# Allegro board 1140022-KU060_PCIE_FIBER_BOARD_V001_pcb166_20240120_1835_pcb.brd (continued)
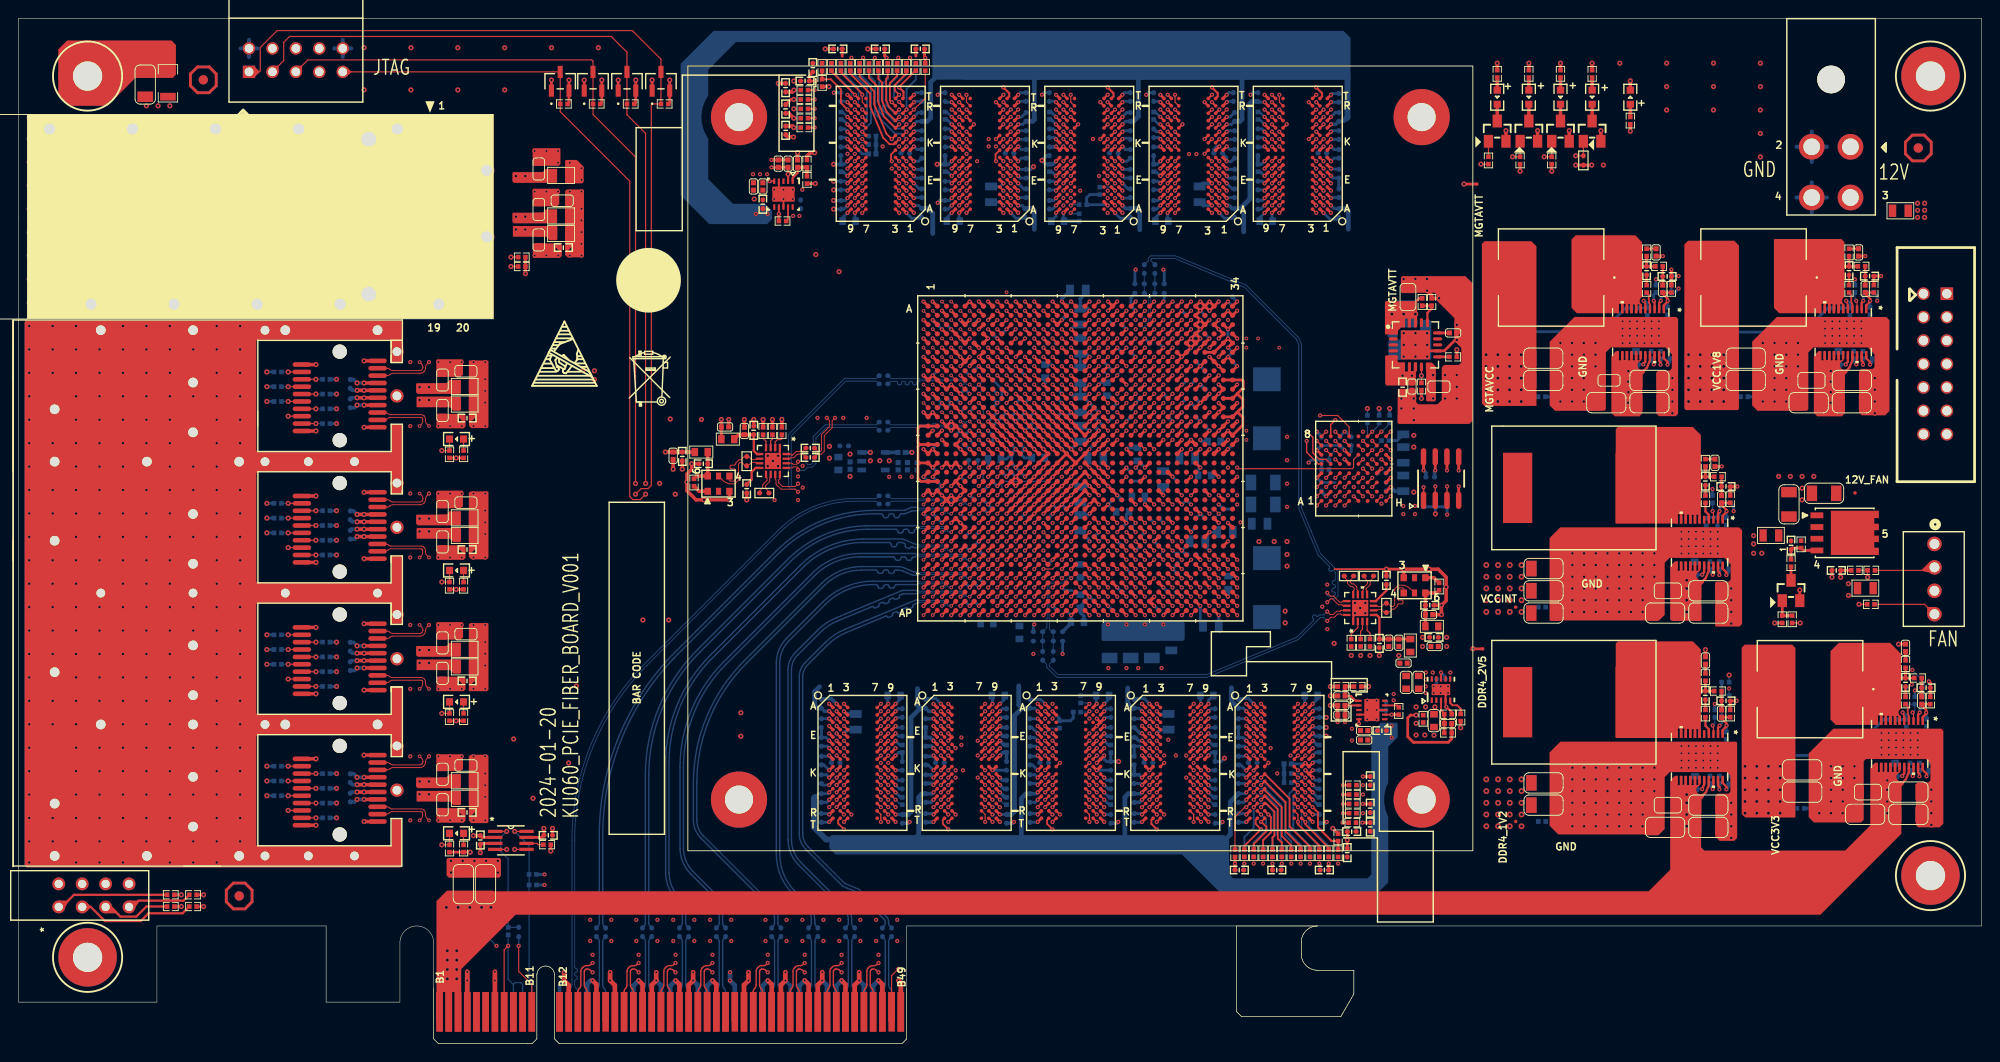
[diagram p0: board, top side]
## Nets (continued)
CHA_FPGA_DDR4_C2_D53: U1.L12(IO_L17P_T2U_N8_AD10P_66) U13.H8(DQ5)
CHA_FPGA_DDR4_C2_D54: U1.H12(IO_L14P_T2L_N2_GC_66) U13.J3(DQ6)
CHA_FPGA_DDR4_C2_D55: U1.J11(IO_L15N_T2L_N5_AD11N_66) U13.J7(DQ7)
CHA_FPGA_DDR4_C2_D56: U1.C13(IO_L24N_T3U_N11_66) U13.A3(DQ8)
CHA_FPGA_DDR4_C2_D57: U1.B11(IO_L21N_T3L_N5_AD8N_66) U13.B8(DQ9)
CHA_FPGA_DDR4_C2_D58: U1.C12(IO_L20P_T3L_N2_AD1P_66) U13.C3(DQ10)
CHA_FPGA_DDR4_C2_D59: U1.A12(IO_L23N_T3U_N9_66) U13.C7(DQ11)
CHA_FPGA_DDR4_C2_D60: U1.D13(IO_L24P_T3U_N10_66) U13.C2(DQ12)
CHA_FPGA_DDR4_C2_D61: U1.B12(IO_L20N_T3L_N3_AD1N_66) U13.C8(DQ13)
CHA_FPGA_DDR4_C2_D62: U1.C11(IO_L21P_T3L_N4_AD8P_66) U13.D3(DQ14)
CHA_FPGA_DDR4_C2_D63: TP34.1(PIN1) U1.A13(IO_L23P_T3U_N8_66) U13.D7(DQ15)
CHA_FPGA_DDR4_C2_D64: U1.E20(IO_L20P_T3L_N2_AD1P_67) U12.G2(DQ0)
CHA_FPGA_DDR4_C2_D65: U1.H21(IO_L24P_T3U_N10_67) U12.F7(DQ1)
CHA_FPGA_DDR4_C2_D66: U1.E21(IO_L20N_T3L_N3_AD1N_67) U12.H3(DQ2)
CHA_FPGA_DDR4_C2_D67: U1.F22(IO_L23N_T3U_N9_67) U12.H7(DQ3)
CHA_FPGA_DDR4_C2_D68: U1.F24(IO_L21N_T3L_N5_AD8N_67) U12.H2(DQ4)
CHA_FPGA_DDR4_C2_D69: U1.G22(IO_L23P_T3U_N8_67) U12.H8(DQ5)
CHA_FPGA_DDR4_C2_D70: U1.G21(IO_L24N_T3U_N11_67) U12.J3(DQ6)
CHA_FPGA_DDR4_C2_D71: TP28.1(PIN1) U1.F23(IO_L21P_T3L_N4_AD8P_67) U12.J7(DQ7)
CHA_FPGA_DDR4_C2_DM0: U1.B14(IO_L1P_T0L_N0_DBC_68) U9.E7(LDM_N/LDBI_N)
CHA_FPGA_DDR4_C2_DM1: U1.D14(IO_L7P_T1L_N0_QBC_AD13P_68) U9.E2(UDM_N/UDBI_N)
CHA_FPGA_DDR4_C2_DM2: U1.G17(IO_L13P_T2L_N0_GC_QBC_68) U10.E7(LDM_N/LDBI_N)
CHA_FPGA_DDR4_C2_DM3: U1.J15(IO_L19P_T3L_N0_DBC_AD9P_68) U10.E2(UDM_N/UDBI_N)
CHA_FPGA_DDR4_C2_DM4: U1.F8(IO_L1P_T0L_N0_DBC_66) U11.E7(LDM_N/LDBI_N)
CHA_FPGA_DDR4_C2_DM5: U1.L8(IO_L7P_T1L_N0_QBC_AD13P_66) U11.E2(UDM_N/UDBI_N)
CHA_FPGA_DDR4_C2_DM6: U1.H11(IO_L13P_T2L_N0_GC_QBC_66) U13.E7(LDM_N/LDBI_N)
CHA_FPGA_DDR4_C2_DM7: U1.E11(IO_L19P_T3L_N0_DBC_AD9P_66) U13.E2(UDM_N/UDBI_N)
CHA_FPGA_DDR4_C2_DM8: U1.G24(IO_L19P_T3L_N0_DBC_AD9P_67) U12.E7(LDM_N/LDBI_N)
CHA_FPGA_DDR4_C2_DQS0_N: U1.B19(IO_L4N_T0U_N7_DBC_AD7N_68) U9.F3(LDQS_C)
CHA_FPGA_DDR4_C2_DQS0_P: U1.C19(IO_L4P_T0U_N6_DBC_AD7P_68) U9.G3(LDQS_T)
CHA_FPGA_DDR4_C2_DQS1_N: TP24.1(PIN1) U1.D18(IO_L10N_T1U_N7_QBC_AD4N_68) U9.A7(UDQS_C)
CHA_FPGA_DDR4_C2_DQS1_P: TP23.1(PIN1) U1.D19(IO_L10P_T1U_N6_QBC_AD4P_68) U9.B7(UDQS_T)
CHA_FPGA_DDR4_C2_DQS2_N: U1.F19(IO_L16N_T2U_N7_QBC_AD3N_68) U10.F3(LDQS_C)
CHA_FPGA_DDR4_C2_DQS2_P: U1.G19(IO_L16P_T2U_N6_QBC_AD3P_68) U10.G3(LDQS_T)
CHA_FPGA_DDR4_C2_DQS3_N: TP27.1(PIN1) U1.J18(IO_L22N_T3U_N7_DBC_AD0N_68) U10.A7(UDQS_C)
CHA_FPGA_DDR4_C2_DQS3_P: TP26.1(PIN1) U1.J19(IO_L22P_T3U_N6_DBC_AD0P_68) U10.B7(UDQS_T)
CHA_FPGA_DDR4_C2_DQS4_N: U1.A10(IO_L4N_T0U_N7_DBC_AD7N_66) U11.F3(LDQS_C)
CHA_FPGA_DDR4_C2_DQS4_P: U1.B10(IO_L4P_T0U_N6_DBC_AD7P_66) U11.G3(LDQS_T)
CHA_FPGA_DDR4_C2_DQS5_N: TP33.1(PIN1) U1.J10(IO_L10N_T1U_N7_QBC_AD4N_66) U11.A7(UDQS_C)
CHA_FPGA_DDR4_C2_DQS5_P: TP32.1(PIN1) U1.K10(IO_L10P_T1U_N6_QBC_AD4P_66) U11.B7(UDQS_T)
CHA_FPGA_DDR4_C2_DQS6_N: U1.K13(IO_L16N_T2U_N7_QBC_AD3N_66) U13.F3(LDQS_C)
CHA_FPGA_DDR4_C2_DQS6_P: U1.L13(IO_L16P_T2U_N6_QBC_AD3P_66) U13.G3(LDQS_T)
CHA_FPGA_DDR4_C2_DQS7_N: TP36.1(PIN1) U1.E13(IO_L22N_T3U_N7_DBC_AD0N_66) U13.A7(UDQS_C)
CHA_FPGA_DDR4_C2_DQS7_P: TP35.1(PIN1) U1.F13(IO_L22P_T3U_N6_DBC_AD0P_66) U13.B7(UDQS_T)
CHA_FPGA_DDR4_C2_DQS8_N: TP31.1(PIN1) U1.F20(IO_L22N_T3U_N7_DBC_AD0N_67) U12.F3(LDQS_C)
CHA_FPGA_DDR4_C2_DQS8_P: TP30.1(PIN1) U1.G20(IO_L22P_T3U_N6_DBC_AD0P_67) U12.G3(LDQS_T)
CHA_FPGA_DDR4_C2_ODT: R153.1 U1.B22(IO_L15N_T2L_N5_AD11N_67) U9.K3(ODT) U10.K3(ODT) U11.K3(ODT) U12.K3(ODT) U13.K3(ODT)
CHA_FPGA_DDR4_C2_PARITY: R158.1 U1.F27(IO_L1P_T0L_N0_DBC_67) U9.T3(PAR) U10.T3(PAR) U11.T3(PAR) U12.T3(PAR) U13.T3(PAR)
CHA_FPGA_DDR4_C2_RAS: R149.1 U1.B25(IO_L8P_T1L_N2_AD5P_67) U9.L8(RAS_N/A16) U10.L8(RAS_N/A16) U11.L8(RAS_N/A16) U12.L8(RAS_N/A16) U13.L8(RAS_N/A16)
CHA_FPGA_DDR4_C2_RESET: R128.2 U1.C22(IO_L16N_T2U_N7_QBC_AD3N_67) U9.P1(RESET_N) U10.P1(RESET_N) U11.P1(RESET_N) U12.P1(RESET_N) U13.P1(RESET_N)
CHA_FPGA_DDR4_C2_WE: R152.1 U1.B26(IO_L9N_T1L_N5_AD12N_67) U9.L2(WE_N/A14) U10.L2(WE_N/A14) U11.L2(WE_N/A14) U12.L2(WE_N/A14) U13.L2(WE_N/A14)
CHA_FPGA_DONE_B: Q1.1(GATE) R12.2 U1.N7(DONE_0)
CHA_FPGA_INIT_B: R1.2 R3.2 U1.V7(INIT_B_0)
CHA_FPGA_MASTER_CLOCK_N: C1395.2(CAP1) R768.1 R769.2 TP128.1(PIN1) U1.AC32(IO_L12N_T1U_N11_GC_48)
CHA_FPGA_MASTER_CLOCK_P: C1396.2(CAP1) R767.1 R770.2 TP129.1(PIN1) U1.AC31(IO_L12P_T1U_N10_GC_48)
CHA_FPGA_MODE0: R17.2 R18.1 U1.K7(M0_0)
CHA_FPGA_MODE1: R15.2 R16.1 U1.L7(M1_0)
CHA_FPGA_MODE2: R13.2 R14.1 U1.M7(M2_0)
CHA_FPGA_POR_OVERRIDE: R10.2 R11.1 U1.P7(POR_OVERRIDE)
CHA_FPGA_PROG_B: R4.2 U1.T7(PROGRAM_B_0)
CHA_FPGA_PUDC_B: R8.1 R775.2 U1.R7(PUDC_B_0)
CHA_FPGA_TCK: D4.3 J1.1 R19.1 U1.AC9(TCK_0)
CHA_FPGA_TDI: D1.3 J1.9 R22.1 U1.V9(TDI_0)
CHA_FPGA_TDO: D3.3 J1.3 R20.1 U1.U9(TDO_0)
CHA_FPGA_TMS: D2.3 J1.5 R21.1 U1.W9(TMS_0)
CHA_GPIO_3V3_0: J19.3 U1.AJ13(IO_L8N_T1L_N3_AD5N_64)
CHA_GPIO_3V3_1: J19.5 U1.AH13(IO_L8P_T1L_N2_AD5P_64)
CHA_GPIO_3V3_2: J19.7 U1.AH12(IO_L11N_T1U_N9_GC_64)
CHA_GPIO_3V3_3: J19.9 U1.AG12(IO_L11P_T1U_N8_GC_64)
CHA_GPIO_3V3_4: J19.11 U1.AF13(IO_L7N_T1L_N1_QBC_AD13N_64)
CHA_GPIO_3V3_5: J19.4 U1.AD11(IO_L10P_T1U_N6_QBC_AD4P_64)
CHA_GPIO_3V3_6: J19.6 U1.AE11(IO_L10N_T1U_N7_QBC_AD4N_64)
CHA_GPIO_3V3_7: J19.8 U1.AE12(IO_L9P_T1L_N4_AD12P_64)
CHA_GPIO_3V3_8: J19.10 U1.AF12(IO_L9N_T1L_N5_AD12N_64)
CHA_GPIO_3V3_9: J19.12 U1.AE13(IO_L7P_T1L_N0_QBC_AD13P_64)
CHA_MGTAVCC: C146.1(CAP2) C147.1(CAP2) C148.1(CAP2) C149.1(CAP2) C150.1(CAP2) C151.1(CAP2) C152.1(CAP2) C153.1(CAP2) C154.1(CAP2) C155.1(CAP2) C156.1(CAP2) C157.1(CAP2) C158.1(CAP2) C159.1(CAP2) C160.2(CAP1) C161.2(CAP1) C162.2(CAP1) C163.2(CAP1) C164.2(CAP1) C165.2(CAP1) C166.2(CAP1) C1542.1(CAP2) C1543.1(CAP2) C1544.1(CAP2) C1545.1(CAP2) C1547.2(CAP1) L119.2 R601.2 R909.2 R933.2 TP163.1(PIN1) U1.AC6(MGTAVCC_R_1) U1.AE6(MGTAVCC_R_2) U1.AG6(MGTAVCC_R_3) U1.AJ6(MGTAVCC_R_4) U1.AL6(MGTAVCC_R_5) U1.AN6(MGTAVCC_R_6) U1.C6(MGTAVCC_R_7) U1.E6(MGTAVCC_R_8) U1.E31(MGTAVCC_L_1) U1.F30(MGTAVCC_L_2) U1.G6(MGTAVCC_R_9) U1.H29(MGTAVCC_L_3) U1.J6(MGTAVCC_R_10) U1.J31(MGTAVCC_L_4) U1.L6(MGTAVCC_R_11) U1.N6(MGTAVCC_R_12) U1.N31(MGTAVCC_L_5) U1.P29(MGTAVCC_L_6) U1.U6(MGTAVCC_R_13) U1.W6(MGTAVCC_R_14)
CHA_MGTAVCC_EN: R660.1 U111.2(EN)
CHA_MGTAVCC_GOOD: R610.2 R612.2 U111.3(PGOOD)
CHA_MGTAVTT: C125.1(CAP2) C126.1(CAP2) C127.1(CAP2) C128.1(CAP2) C129.1(CAP2) C130.1(CAP2) C131.1(CAP2) C132.2(CAP1) C133.2(CAP1) C134.2(CAP1) C135.2(CAP1) C136.2(CAP1) C137.2(CAP1) C138.2(CAP1) C1212.1 C1213.1 R67.1 R603.2 R607.1 R1283.1 TP97.1(PIN1) U1.AC2(MGTAVTT_R_1) U1.AD3(MGTAVTT_R_2) U1.AG2(MGTAVTT_R_3) U1.AH3(MGTAVTT_R_4) U1.AL2(MGTAVTT_R_5) U1.AM3(MGTAVTT_R_6) U1.AP6(MGTAVTTRCAL_R) U1.C2(MGTAVTT_R_7) U1.C32(MGTAVTT_L_1) U1.D3(MGTAVTT_R_8) U1.D33(MGTAVTT_L_2) U1.G2(MGTAVTT_R_9) U1.G32(MGTAVTT_L_3) U1.H3(MGTAVTT_R_10) U1.H33(MGTAVTT_L_4) U1.K33(MGTAVTT_L_5) U1.L2(MGTAVTT_R_11) U1.L32(MGTAVTT_L_6) U1.M3(MGTAVTT_R_12) U1.P33(MGTAVTT_L_7) U1.R2(MGTAVTT_R_13) U1.R32(MGTAVTT_L_8) U1.T3(MGTAVTT_R_14) U1.W2(MGTAVTT_R_15) U1.Y3(MGTAVTT_R_16) U110.1(OUT1) U110.18(OUT2) U110.19(OUT3) U110.20(OUT4)
CHA_MGTAVTT_EN: R612.1 U110.11(EN)
CHA_MGTAVTT_GOOD: R611.2 R628.2 U110.9(PG)
CHA_MGTH_227_CLK0_N: C79.2(CAP1) U131.14(OUT2_N)
CHA_MGTH_227_CLK0_P: C78.2(CAP1) U131.13(OUT2_P)
CHA_MGTH_228_CLK0_N: C81.2(CAP1) U131.12(OUT1_N)
CHA_MGTH_228_CLK0_P: C80.2(CAP1) U131.11(OUT1_P)
CHA_MGTVCCAUX: C139.1(CAP2) C140.1(CAP2) C141.1(CAP2) C142.1(CAP2) C143.1(CAP2) C144.1(CAP2) C145.1(CAP2) C1480.1 C1481.1 R841.2 TP154.1(PIN1) U1.AA6(MGTVCCAUX_R_2) U1.K29(MGTVCCAUX_L_1) U1.M29(MGTVCCAUX_L_2) U1.R6(MGTVCCAUX_R_1) U329.5(VOUT)
CHA_QSFP0_I2C_SCL: J3.11(SCL) R163.2 U1.AK13(IO_L6P_T0U_N10_AD6P_64)
CHA_QSFP0_I2C_SDA: J3.12(SDA) R164.2 U1.AL13(IO_L6N_T0U_N11_AD6N_64)
CHA_QSFP0_INTL: J3.28(INTL) R168.2 U1.AN13(IO_L2P_T0L_N2_64)
CHA_QSFP0_LPMODE: J3.31(LPMODE) U1.AP13(IO_L2N_T0L_N3_64)
CHA_QSFP0_MODPRSL: J3.27(MODPRSL) R167.2 U1.AN12(IO_L4N_T0U_N7_DBC_AD7N_64)
CHA_QSFP0_MODSEIL: J3.8(MODSELL) U1.AL12(IO_L5N_T0U_N9_AD14N_64)
CHA_QSFP0_RESETL: J3.9(RESETL) U1.AM12(IO_L4P_T0U_N6_DBC_AD7P_64)
CHA_QSFP0_RX0_N: J3.18(RX1N) U1.E3(MGTHRXN0_228)
CHA_QSFP0_RX0_P: J3.17(RX1P) U1.E4(MGTHRXP0_228)
CHA_QSFP0_RX1_N: J3.21(RX2N) U1.D1(MGTHRXN1_228)
CHA_QSFP0_RX1_P: J3.22(RX2P) U1.D2(MGTHRXP1_228)
CHA_QSFP0_RX2_N: J3.15(RX3N) U1.B1(MGTHRXN2_228)
CHA_QSFP0_RX2_P: J3.14(RX3P) U1.B2(MGTHRXP2_228)
CHA_QSFP0_RX3_N: J3.24(RX4N) U1.A3(MGTHRXN3_228)
CHA_QSFP0_RX3_P: J3.25(RX4P) U1.A4(MGTHRXP3_228)
CHA_QSFP0_TX0_N: J3.37(TX1N) U1.F5(MGTHTXN0_228)
CHA_QSFP0_TX0_P: J3.36(TX1P) U1.F6(MGTHTXP0_228)
CHA_QSFP0_TX1_N: J3.2(TX2N) U1.D5(MGTHTXN1_228)
CHA_QSFP0_TX1_P: J3.3(TX2P) U1.D6(MGTHTXP1_228)
CHA_QSFP0_TX2_N: J3.34(TX3N) U1.C3(MGTHTXN2_228)
CHA_QSFP0_TX2_P: J3.33(TX3P) U1.C4(MGTHTXP2_228)
CHA_QSFP0_TX3_N: J3.5(TX4N) U1.B5(MGTHTXN3_228)
CHA_QSFP0_TX3_P: J3.6(TX4P) U1.B6(MGTHTXP3_228)
CHA_QSFP0_VCCI: C363.1 C364.1(CAP2) J3.30(VCCL) L6.2
CHA_QSFP0_VCCRX: C355.1 C356.1(CAP2) J3.10(VCCRX) L4.2
CHA_QSFP0_VCCTX: C357.1 C360.1(CAP2) J3.29(VCCTX) L5.2
CHA_ROVP: R928.2 R933.1 U111.5(ROVP)
CHA_SFP0_VCCRX: C373.1 C374.1(CAP2) L12.2 P1.A15(A_VCCR)
CHA_SFP0_VCCTX: C377.1 C378.1(CAP2) L13.2 P1.A16(A_VCCT)
CHA_SFP1_VCCRX: C1567.1 C1568.1(CAP2) L229.2 P1.B15(B_VCCR)
CHA_SFP1_VCCTX: C1569.1 C1570.1(CAP2) L230.2 P1.B16(B_VCCT)
CHA_SFP2_VCCRX: C1573.1 C1574.1(CAP2) L231.2 P1.C15(C_VCCR)
CHA_SFP2_VCCTX: C1575.1 C1576.1(CAP2) L232.2 P1.C16(C_VCCT)
CHA_SFP3_VCCRX: C2508.1 C2509.1(CAP2) L235.2 P1.D15(D_VCCR)
CHA_SFP3_VCCTX: C2510.1 C2511.1(CAP2) L236.2 P1.D16(D_VCCT)
CHA_SFP+_0_LOS: DS4.2 P1.A8(A_LOS) R181.2 U1.AD9(IO_L17P_T2U_N8_AD10P_64)
CHA_SFP+_0_MOD_DETECT: P1.A6(A_MOD_ABS) R177.2 U1.AD10(IO_L16P_T2U_N6_QBC_AD3P_64)
CHA_SFP+_0_RS0: P1.A7(A_RS0) R178.2
CHA_SFP+_0_RS1: P1.A9(A_RS1) R180.2
CHA_SFP+_0_RXD_N: P1.A12(A_RXD_N) U1.F1(MGTHRXN3_227)
CHA_SFP+_0_RXD_P: P1.A13(A_RXD_P) U1.F2(MGTHRXP3_227)
CHA_SFP+_0_SCL: P1.A5(A_SCL) R176.2 U1.AG11(IO_L12P_T1U_N10_GC_64)
CHA_SFP+_0_SDA: P1.A4(A_SDA) R175.2 U1.AH11(IO_L12N_T1U_N11_GC_64)
CHA_SFP+_0_TX_DISABLE: P1.A3(A_TX_DISABLE) R174.2 U1.AM11(IO_L3P_T0L_N4_AD15P_64)
CHA_SFP+_0_TX_FAULT: P1.A2(A_TX_FAULT) R173.2 U1.AK12(IO_L5P_T0U_N8_AD14P_64)
CHA_SFP+_0_TXD_N: P1.A19(A_TXD_N) U1.G3(MGTHTXN3_227)
CHA_SFP+_0_TXD_P: P1.A18(A_TXD_P) U1.G4(MGTHTXP3_227)
CHA_SFP+_1_LOS: DS12.2 P1.B8(B_LOS) R1016.2 U1.AG10(IO_L13N_T2L_N1_GC_QBC_64)
CHA_SFP+_1_MOD_DETECT: P1.B6(B_MOD_ABS) R1017.2 U1.AF9(IO_L14P_T2L_N2_GC_64)
CHA_SFP+_1_RS0: P1.B7(B_RS0) R1014.2
CHA_SFP+_1_RS1: P1.B9(B_RS1) R1015.2
CHA_SFP+_1_RXD_N: P1.B12(B_RXD_N) U1.H1(MGTHRXN2_227)
CHA_SFP+_1_RXD_P: P1.B13(B_RXD_P) U1.H2(MGTHRXP2_227)
CHA_SFP+_1_SCL: P1.B5(B_SCL) R1013.2 U1.AD8(IO_L17N_T2U_N9_AD10N_64)
CHA_SFP+_1_SDA: P1.B4(B_SDA) R1012.2 U1.AE8(IO_L15P_T2L_N4_AD11P_64)
CHA_SFP+_1_TX_DISABLE: P1.B3(B_TX_DISABLE) R1010.2 U1.AF10(IO_L13P_T2L_N0_GC_QBC_64)
CHA_SFP+_1_TX_FAULT: P1.B2(B_TX_FAULT) R1011.2 U1.AE10(IO_L16N_T2U_N7_QBC_AD3N_64)
CHA_SFP+_1_TXD_N: P1.B19(B_TXD_N) U1.J3(MGTHTXN2_227)
CHA_SFP+_1_TXD_P: P1.B18(B_TXD_P) U1.J4(MGTHTXP2_227)
CHA_SFP+_2_LOS: DS13.2 P1.C8(C_LOS) R1026.2 U1.AH9(IO_L18P_T2U_N10_AD2P_64)
CHA_SFP+_2_MOD_DETECT: P1.C6(C_MOD_ABS) R1025.2 U1.AH8(IO_L18N_T2U_N11_AD2N_64)
CHA_SFP+_2_RS0: P1.C7(C_RS0) R1022.2
CHA_SFP+_2_RS1: P1.C9(C_RS1) R1024.2
CHA_SFP+_2_RXD_N: P1.C12(C_RXD_N) U1.K1(MGTHRXN1_227)
CHA_SFP+_2_RXD_P: P1.C13(C_RXD_P) U1.K2(MGTHRXP1_227)
CHA_SFP+_2_SCL: P1.C5(C_SCL) R1023.2 U1.AK11(IO_T0U_N12_64)
CHA_SFP+_2_SDA: P1.C4(C_SDA) R1021.2 U1.AN11(IO_L3N_T0L_N5_AD15N_64)
CHA_SFP+_2_TX_DISABLE: P1.C3(C_TX_DISABLE) R1020.2 U1.AG9(IO_L14N_T2L_N3_GC_64)
CHA_SFP+_2_TX_FAULT: P1.C2(C_TX_FAULT) R1019.2 U1.AF8(IO_L15N_T2L_N5_AD11N_64)
CHA_SFP+_2_TXD_N: P1.C19(C_TXD_N) U1.L3(MGTHTXN1_227)
CHA_SFP+_2_TXD_P: P1.C18(C_TXD_P) U1.L4(MGTHTXP1_227)
CHA_SFP+_3_LOS: DS14.2 P1.D8(D_LOS) R1273.2 U1.AM10(IO_L19N_T3L_N1_DBC_AD9N_64)
CHA_SFP+_3_MOD_DETECT: P1.D6(D_MOD_ABS) R1274.2 U1.AP11(IO_L1P_T0L_N0_DBC_64)
CHA_SFP+_3_RS0: P1.D7(D_RS0) R1271.2
CHA_SFP+_3_RS1: P1.D9(D_RS1) R1272.2
CHA_SFP+_3_RXD_N: P1.D12(D_RXD_N) U1.M1(MGTHRXN0_227)
CHA_SFP+_3_RXD_P: P1.D13(D_RXD_P) U1.M2(MGTHRXP0_227)
CHA_SFP+_3_SCL: P1.D5(D_SCL) R1270.2 U1.AL10(IO_L19P_T3L_N0_DBC_AD9P_64)
CHA_SFP+_3_SDA: P1.D4(D_SDA) R1269.2 U1.AL9(IO_L21N_T3L_N5_AD8N_64)
CHA_SFP+_3_TX_DISABLE: P1.D3(D_TX_DISABLE) R1267.2 U1.AK10(IO_L21P_T3L_N4_AD8P_64)
CHA_SFP+_3_TX_FAULT: P1.D2(D_TX_FAULT) R1268.2 U1.AJ9(IO_L23P_T3U_N8_64)
CHA_SFP+_3_TXD_N: P1.D19(D_TXD_N) U1.N3(MGTHTXN0_227)
CHA_SFP+_3_TXD_P: P1.D18(D_TXD_P) U1.N4(MGTHTXP0_227)
CHA_TEMP_ALERT: R829.2 U1.AB26(IO_L6N_T0U_N11_AD6N_47) U150.3(ALERT)
CHA_TEMP_SCL: R830.2 U1.AB25(IO_L6P_T0U_N10_AD6P_47) U150.2(SCL)
CHA_TEMP_SDA: R831.2 U1.AB27(IO_L5N_T0U_N9_AD14N_47) U150.1(SDA)
CHA_VCCAUX: C119.1 C120.1 C121.1(CAP2) C122.1(CAP2) C123.1(CAP2) C124.1(CAP2) L161.1 U1.AA8(VCCAUX_1) U1.AB19(VCCAUX_IO_1) U1.AC8(VCCAUX_2) U1.AC18(VCCAUX_IO_2) U1.M19(VCCAUX_IO_3) U1.N18(VCCAUX_IO_4) U1.P19(VCCAUX_IO_5) U1.R20(VCCAUX_IO_6) U1.T19(VCCAUX_IO_7) U1.U8(VCCAUX_3) U1.U20(VCCAUX_IO_8) U1.V19(VCCAUX_IO_9) U1.W8(VCCAUX_4) U1.W20(VCCAUX_IO_10) U1.Y19(VCCAUX_IO_11)
CHA_VCCINT: C92.1 C93.1 C94.1(CAP2) C95.1(CAP2) C96.1(CAP2) C97.1(CAP2) C98.1(CAP2) C99.1 C100.1 C101.1 C102.1 C103.1(CAP2) C104.1(CAP2) C105.1(CAP2) C106.1(CAP2) C107.1(CAP2) C108.1(CAP2) C109.1(CAP2) C110.1(CAP2) C111.1(CAP2) C112.1(CAP2) C113.1(CAP2) C114.1(CAP2) C115.1(CAP2) C116.1(CAP2) C117.1(CAP2) C118.1(CAP2) C1500.1(CAP2) C1501.1(CAP2) C1502.1(CAP2) C1503.1(CAP2) C1506.2(CAP1) C1516.1(CAP2) L117.1 R10.1 R580.1 R586.2 TP95.1(PIN1) U1.AA10(VCCINT_1) U1.AA12(VCCINT_2) U1.AA14(VCCINT_3) U1.AA16(VCCINT_4) U1.AA18(VCCBRAM_1) U1.AB11(VCCINT_5) U1.AB13(VCCINT_6) U1.AB15(VCCINT_7) U1.AB17(VCCBRAM_2) U1.AC10(VCCINT_8) U1.AC12(VCCINT_9) U1.AC14(VCCINT_10) U1.AC16(VCCINT_11) U1.M9(VCCINT_15) U1.M11(VCCINT_12) U1.M13(VCCINT_13) U1.M15(VCCINT_14) U1.M17(VCCINT_IO_1) U1.N8(VCCINT_20) U1.N10(VCCINT_16) U1.N12(VCCINT_17) U1.N14(VCCINT_18) U1.N16(VCCINT_19) U1.P9(VCCINT_24) U1.P11(VCCINT_21) U1.P13(VCCINT_22) U1.P15(VCCINT_23) U1.P17(VCCINT_IO_2) U1.R8(VCCINT_29) U1.R10(VCCINT_25) U1.R12(VCCINT_26) U1.R14(VCCINT_27) U1.R16(VCCINT_28) U1.R18(VCCINT_IO_3) U1.T9(VCCINT_34) U1.T11(VCCINT_30) U1.T13(VCCINT_31) U1.T15(VCCINT_32) U1.T17(VCCINT_33) U1.U10(VCCINT_35) U1.U14(VCCINT_36) U1.U16(VCCINT_37) U1.U18(VCCINT_IO_4) U1.V13(VCCINT_38) U1.V15(VCCINT_39) U1.V17(VCCBRAM_3) U1.W10(VCCINT_40) U1.W14(VCCINT_41) U1.W16(VCCINT_42) U1.W18(VCCINT_IO_5) U1.Y13(VCCINT_43) U1.Y15(VCCINT_44) U1.Y17(VCCBRAM_4)
CHA_VCCINT_EN: C1198.1(CAP2) R588.2 R589.2 U108.2(EN)
CHA_VCCINT_GOOD: R587.2 R654.2 U108.3(PGOOD)
DDR4_1V2: C32.1 C33.1(CAP2) C34.1(CAP2) C35.1 C36.1(CAP2) C37.1(CAP2) C38.1 C39.1 C40.1(CAP2) C41.1(CAP2) C42.1 C43.1(CAP2) C44.1(CAP2) C45.1 C46.1(CAP2) C47.1(CAP2) C48.1(CAP2) C49.1 C50.1 C51.1(CAP2) C52.1(CAP2) C53.1 C54.1 C55.1(CAP2) C56.1(CAP2) C57.1 C58.1(CAP2) C59.1(CAP2) C60.1(CAP2) C61.1 C169.1 C170.1 C171.1(CAP2) C172.1(CAP2) C173.1(CAP2) C174.1(CAP2) C175.1(CAP2) C176.1(CAP2) C177.1 C178.1 C179.1 C180.1 C182.1 C183.1(CAP2) C184.1(CAP2) C185.1(CAP2) C186.1(CAP2) C187.1(CAP2) C188.1(CAP2) C189.1 C190.1 C191.1 C192.1 C196.1 C197.1(CAP2) C198.1(CAP2) C199.1(CAP2) C200.1(CAP2) C201.1(CAP2) C202.1(CAP2) C203.1 C204.1 C205.1 C206.1 C213.1 C214.1 C215.1(CAP2) C216.1(CAP2) C217.1(CAP2) C218.1(CAP2) C219.1(CAP2) C220.1(CAP2) C221.1 C222.1 C223.1 C224.1 C225.1 C226.1(CAP2) C227.1(CAP2) C228.1(CAP2) C229.1(CAP2) C230.1(CAP2) C231.1(CAP2) C232.1 C233.1 C234.1 C235.1 C251.1 C252.1 C257.2(CAP1) C260.1 C261.1 C262.1(CAP2) C263.1(CAP2) C264.1(CAP2) C265.1(CAP2) C266.1(CAP2) C267.1(CAP2) C268.1 C269.1 C270.1 C271.1 C273.1 C274.1(CAP2) C275.1(CAP2) C276.1(CAP2) C277.1(CAP2) C278.1(CAP2) C279.1(CAP2) C280.1 C281.1 C282.1 C283.1 C287.1 C288.1(CAP2) C289.1(CAP2) C290.1(CAP2) C291.1(CAP2) C292.1(CAP2) C293.1(CAP2) C294.1 C295.1 C296.1 C297.1 C304.1 C305.1 C306.1(CAP2) C307.1(CAP2) C308.1(CAP2) C309.1(CAP2) C310.1(CAP2) C311.1(CAP2) C312.1 C313.1 C314.1 C315.1 C316.1 C317.1(CAP2) C318.1(CAP2) C319.1(CAP2) C320.1(CAP2) C321.1(CAP2) C322.1(CAP2) C323.1 C324.1 C325.1 C326.1 C342.1 C343.1 C348.2(CAP1) C1518.1(CAP2) C1519.1(CAP2) C1520.1(CAP2) C1521.1(CAP2) C1523.2(CAP1) L201.1 R50.2 R51.2 R61.2 R62.2 R73.1 R74.2 R81.1 R103.1 R119.1 R120.2 R127.1 R150.1 R631.1 R891.2 TP160.1(PIN1) U1.A16(VCCO_68_1) U1.A26(VCCO_67_1) U1.AD17(VCCO_45_1) U1.AE14(VCCO_45_2) U1.AE24(VCCO_44_1) U1.AF21(VCCO_44_2) U1.AG18(VCCO_45_3) U1.AG28(VCCO_46_1) U1.AH15(VCCO_45_4) U1.AH25(VCCO_44_3) U1.AJ22(VCCO_44_4) U1.AJ32(VCCO_46_2) U1.AK19(VCCO_45_5) U1.AK29(VCCO_46_3) U1.AL16(VCCO_45_6) U1.AL26(VCCO_46_4) U1.AM23(VCCO_44_5) U1.AM33(VCCO_46_5) U1.AN20(VCCO_44_6) U1.AN30(VCCO_46_6) U1.AP17(VCCO_45_7) U1.AP27(VCCO_46_7) U1.B13(VCCO_66_1) U1.B23(VCCO_67_2) U1.C10(VCCO_66_2) U1.C20(VCCO_67_3) U1.D17(VCCO_68_2) U1.D27(VCCO_67_4) U1.E14(VCCO_68_3) U1.E24(VCCO_67_5) U1.F11(VCCO_66_3) U1.F21(VCCO_67_6) U1.G8(VCCO_66_4) U1.G18(VCCO_68_4) U1.H15(VCCO_68_5) U1.J12(VCCO_66_5) U1.K9(VCCO_66_6) U1.K19(VCCO_68_6) U1.L16(VCCO_68_7) U3.A1(VDDQ1) U3.A9(VDDQ2) U3.B3(VDD1) U3.B9(VDD2) U3.C1(VDDQ3) U3.D1(VDD3) U3.D9(VDDQ4) U3.F2(VDDQ5) U3.F8(VDDQ6) U3.G1(VDDQ7) U3.G7(VDD4) U3.G9(VDDQ8) U3.J1(VDD5) U3.J2(VDDQ9) U3.J8(VDDQ10) U3.J9(VDD6) U3.L1(VDD7) U3.L9(VDD8) U3.R1(VDD9) U3.T9(VDD10) U4.A1(VDDQ1) U4.A9(VDDQ2) U4.B3(VDD1) U4.B9(VDD2) U4.C1(VDDQ3) U4.D1(VDD3) U4.D9(VDDQ4) U4.F2(VDDQ5) U4.F8(VDDQ6) U4.G1(VDDQ7) U4.G7(VDD4) U4.G9(VDDQ8) U4.J1(VDD5) U4.J2(VDDQ9) U4.J8(VDDQ10) U4.J9(VDD6) U4.L1(VDD7) U4.L9(VDD8) U4.R1(VDD9) U4.T9(VDD10) U5.A1(VDDQ1) U5.A9(VDDQ2) U5.B3(VDD1) U5.B9(VDD2) U5.C1(VDDQ3) U5.D1(VDD3) U5.D9(VDDQ4) U5.F2(VDDQ5) U5.F8(VDDQ6) U5.G1(VDDQ7) U5.G7(VDD4) U5.G9(VDDQ8) U5.J1(VDD5) U5.J2(VDDQ9) U5.J8(VDDQ10) U5.J9(VDD6) U5.L1(VDD7) U5.L9(VDD8) U5.R1(VDD9) U5.T9(VDD10) U6.A1(VDDQ1) U6.A9(VDDQ2) U6.B3(VDD1) U6.B9(VDD2) U6.C1(VDDQ3) U6.D1(VDD3) U6.D9(VDDQ4) U6.F2(VDDQ5) U6.F8(VDDQ6) U6.G1(VDDQ7) U6.G7(VDD4) U6.G9(VDDQ8) U6.J1(VDD5) U6.J2(VDDQ9) U6.J8(VDDQ10) U6.J9(VDD6) U6.L1(VDD7) U6.L9(VDD8) U6.R1(VDD9) U6.T9(VDD10) U7.A1(VDDQ1) U7.A9(VDDQ2) U7.B3(VDD1) U7.B9(VDD2) U7.C1(VDDQ3) U7.D1(VDD3) U7.D9(VDDQ4) U7.F2(VDDQ5) U7.F8(VDDQ6) U7.G1(VDDQ7) U7.G7(VDD4) U7.G9(VDDQ8) U7.J1(VDD5) U7.J2(VDDQ9) U7.J8(VDDQ10) U7.J9(VDD6) U7.L1(VDD7) U7.L9(VDD8) U7.R1(VDD9) U7.T9(VDD10) U8.2(VLDOIN) U9.A1(VDDQ1) U9.A9(VDDQ2) U9.B3(VDD1) U9.B9(VDD2) U9.C1(VDDQ3) U9.D1(VDD3) U9.D9(VDDQ4) U9.F2(VDDQ5) U9.F8(VDDQ6) U9.G1(VDDQ7) U9.G7(VDD4) U9.G9(VDDQ8) U9.J1(VDD5) U9.J2(VDDQ9) U9.J8(VDDQ10) U9.J9(VDD6) U9.L1(VDD7) U9.L9(VDD8) U9.R1(VDD9) U9.T9(VDD10) U10.A1(VDDQ1) U10.A9(VDDQ2) U10.B3(VDD1) U10.B9(VDD2) U10.C1(VDDQ3) U10.D1(VDD3) U10.D9(VDDQ4) U10.F2(VDDQ5) U10.F8(VDDQ6) U10.G1(VDDQ7) U10.G7(VDD4) U10.G9(VDDQ8) U10.J1(VDD5) U10.J2(VDDQ9) U10.J8(VDDQ10) U10.J9(VDD6) U10.L1(VDD7) U10.L9(VDD8) U10.R1(VDD9) U10.T9(VDD10) U11.A1(VDDQ1) U11.A9(VDDQ2) U11.B3(VDD1) U11.B9(VDD2) U11.C1(VDDQ3) U11.D1(VDD3) U11.D9(VDDQ4) U11.F2(VDDQ5) U11.F8(VDDQ6) U11.G1(VDDQ7) U11.G7(VDD4) U11.G9(VDDQ8) U11.J1(VDD5) U11.J2(VDDQ9) U11.J8(VDDQ10) U11.J9(VDD6) U11.L1(VDD7) U11.L9(VDD8) U11.R1(VDD9) U11.T9(VDD10) U12.A1(VDDQ1) U12.A9(VDDQ2) U12.B3(VDD1) U12.B9(VDD2) U12.C1(VDDQ3) U12.D1(VDD3) U12.D9(VDDQ4) U12.F2(VDDQ5) U12.F8(VDDQ6) U12.G1(VDDQ7) U12.G7(VDD4) U12.G9(VDDQ8) U12.J1(VDD5) U12.J2(VDDQ9) U12.J8(VDDQ10) U12.J9(VDD6) U12.L1(VDD7) U12.L9(VDD8) U12.R1(VDD9) U12.T9(VDD10) U13.A1(VDDQ1) U13.A9(VDDQ2) U13.B3(VDD1) U13.B9(VDD2) U13.C1(VDDQ3) U13.D1(VDD3) U13.D9(VDDQ4) U13.F2(VDDQ5) U13.F8(VDDQ6) U13.G1(VDDQ7) U13.G7(VDD4) U13.G9(VDDQ8) U13.J1(VDD5) U13.J2(VDDQ9) U13.J8(VDDQ10) U13.J9(VDD6) U13.L1(VDD7) U13.L9(VDD8) U13.R1(VDD9) U13.T9(VDD10) U14.2(VLDOIN)
DDR4_1V2_EN: R655.1 R849.1 U114.2(EN)
DDR4_1V2_GOOD: R637.2 R658.2 U114.3(PGOOD)
DDR4_200M_N: R1285.2 U129.7(IN0_N) X1.5(CLKN)
DDR4_200M_P: R1285.1 U129.6(IN0_P) X1.4(CLKP)
FPGA_VCCO_GOOD: R658.1 R660.2 R987.1
PCIE_PRSNT_N: R1238.1 U249.A1(PRSNT#1)
PCIE_REFCLK_N: C72.2(CAP1) U249.A14(REFCLK-)
PCIE_REFCLK_P: C70.2(CAP1) U249.A13(REFCLK+)
PCIE_RST_N: R1241.1 R1242.2 U154.8(B1) U249.A11(PERST)
PCIE_RST_N_LS: TP174.1(PIN1) U1.K22(IO_T3U_N12_PERSTN0_65) U154.5(A1)
PCIE_RXD_0_N: U1.AB1(MGTHRXN3_225) U249.B15(PETN0)
PCIE_RXD_0_P: U1.AB2(MGTHRXP3_225) U249.B14(PETP0)
PCIE_RXD_1_N: U1.AD1(MGTHRXN2_225) U249.B20(PETN1)
PCIE_RXD_1_P: U1.AD2(MGTHRXP2_225) U249.B19(PETP1)
PCIE_RXD_2_N: U1.AF1(MGTHRXN1_225) U249.B24(PETN2)
PCIE_RXD_2_P: U1.AF2(MGTHRXP1_225) U249.B23(PETP2)
PCIE_RXD_3_N: U1.AH1(MGTHRXN0_225) U249.B28(PETN3)
PCIE_RXD_3_P: U1.AH2(MGTHRXP0_225) U249.B27(PETP3)
PCIE_RXD_4_N: U1.AJ3(MGTHRXN3_224) U249.B34(PETN4)
PCIE_RXD_4_P: U1.AJ4(MGTHRXP3_224) U249.B33(PETP4)
PCIE_RXD_5_N: U1.AK1(MGTHRXN2_224) U249.B38(PETN5)
PCIE_RXD_5_P: U1.AK2(MGTHRXP2_224) U249.B37(PETP5)
PCIE_RXD_6_N: U1.AM1(MGTHRXN1_224) U249.B42(PETN6)
PCIE_RXD_6_P: U1.AM2(MGTHRXP1_224) U249.B41(PETP6)
PCIE_RXD_7_N: U1.AP1(MGTHRXN0_224) U249.B46(PETN7)
PCIE_RXD_7_P: U1.AP2(MGTHRXP0_224) U249.B45(PETP7)
PCIE_TXD_0_N: C2496.1(CAP2) U1.AC3(MGTHTXN3_225)
PCIE_TXD_0_P: C2497.1(CAP2) U1.AC4(MGTHTXP3_225)
PCIE_TXD_1_N: C2494.1(CAP2) U1.AE3(MGTHTXN2_225)
PCIE_TXD_1_P: C2495.1(CAP2) U1.AE4(MGTHTXP2_225)
PCIE_TXD_2_N: C2492.1(CAP2) U1.AG3(MGTHTXN1_225)
PCIE_TXD_2_P: C2493.1(CAP2) U1.AG4(MGTHTXP1_225)
PCIE_TXD_3_N: C2490.1(CAP2) U1.AH5(MGTHTXN0_225)
PCIE_TXD_3_P: C2491.1(CAP2) U1.AH6(MGTHTXP0_225)
PCIE_TXD_4_N: C2488.1(CAP2) U1.AK5(MGTHTXN3_224)
PCIE_TXD_4_P: C2489.1(CAP2) U1.AK6(MGTHTXP3_224)
PCIE_TXD_5_N: C2486.1(CAP2) U1.AL3(MGTHTXN2_224)
PCIE_TXD_5_P: C2487.1(CAP2) U1.AL4(MGTHTXP2_224)
PCIE_TXD_6_N: C2484.1(CAP2) U1.AM5(MGTHTXN1_224)
PCIE_TXD_6_P: C2485.1(CAP2) U1.AM6(MGTHTXP1_224)
PCIE_TXD_7_N: C2482.1(CAP2) U1.AN3(MGTHTXN0_224)
PCIE_TXD_7_P: C2483.1(CAP2) U1.AN4(MGTHTXP0_224)
PCIE_VCC3V3: R1240.1 TP173.1(PIN1) U249.A9(+3.3V_1) U249.A10(+3.3V_2) U249.B8(+3.3V_3)
PCIE_WAKE_N: R1240.2 R1243.2 U154.1(B2)
PCIE_WAKE_N_LS: U1.N23(IO_T1U_N12_PERSTN1_65) U154.4(A2)
PCIE_WIDTH_X8: R1238.2 U249.B48(PRSNT#2_3)
SFP_LED0: R1260.1 U1.AN9(IO_L20P_T3L_N2_AD1P_64)
SFP_LED1: R1261.1 U1.AP9(IO_L20N_T3L_N3_AD1N_64)
SFP_LED2: R1262.1 U1.AP8(IO_L22N_T3U_N7_DBC_AD0N_64)
SFP_LED3: R1263.1 U1.AP10(IO_L1N_T0L_N1_DBC_64)
VREG6: C1216.1(CAP2) R610.1 U111.18(VREG)
VREG_1: C1242.1(CAP2) R637.1 U114.18(VREG)
VREG_2: C1252.1(CAP2) R645.1 U115.18(VREG)
VREG_3: C1262.1(CAP2) R661.1 U116.18(VREG)
VREG_4: C1190.1(CAP2) R587.1 U108.18(VREG)
N23163314: C257.1(CAP2) R113.2 R114.2
N23165016: C243.2(CAP1) R101.2 R103.2 U8.1(REFIN)
N23165073: R99.2 U8.9(PGOOD)
N23171960: R69.1 U3.N9(TEN)
N23171980: R70.2 U3.F9(ZQ)
N23176531: R71.1 U4.N9(TEN)
N23176551: R72.2 U4.F9(ZQ)
N23180885: R77.1 U5.N9(TEN)
N23180905: R79.2 U5.F9(ZQ)
N23181582: R109.1 U7.N9(TEN)
N23181602: R111.2 U7.F9(ZQ)
N23186587: R76.1 U6.N9(TEN)
N23186607: R78.2 U6.F9(ZQ)
N23305495: DS4.1 R179.1
N23320159: DS1.2 Q1.3(DRAIN)
N23322804: C1.1(CAP2) C3.1(CAP2) L1.2 U1.U12(VCCADC)
N23413791: R115.1 U9.N9(TEN)
N23413831: R116.2 U9.F9(ZQ)
N23414482: R117.1 U10.N9(TEN)
N23414502: R118.2 U10.F9(ZQ)
N23419167: R122.1 U12.N9(TEN)
N23419176: R124.2 U12.F9(ZQ)
N23419798: C348.1(CAP2) R159.2 R160.2
N23421217: C334.2(CAP1) R145.2 R150.2 U14.1(REFIN)
N23421274: R146.2 U14.9(PGOOD)
N23421546: R123.1 U11.N9(TEN)
N23421558: R125.2 U11.F9(ZQ)
N23421763: R155.1 U13.N9(TEN)
N23421783: R157.2 U13.F9(ZQ)
N23808049: R59.2 U1.C29(IO_T0U_N12_VRP_67)
N23808275: R57.1 U1.J20(VREF_67)
N23809338: R56.1 U1.L14(VREF_68)
N23810094: R65.1 U1.L10(VREF_66)
N23816746: R37.2 U1.AA28(IO_T0U_N12_VRP_47)
N23867011: R68.1 R1283.2 U1.A33(MGTAVTTRCAL_L)
N23867028: R68.2 U1.A34(MGTRREF_L)
N23894377: R25.1 U1.J21(VREF_65)
N23894463: R23.1 U1.AD13(VREF_64)
N23917644: R34.1 U1.V24(VREF_47)
N23917846: R43.1 U1.AA30(VREF_48)
N23941687: R73.2 U6.E2(UDM_N/UDBI_N)
N23941693: R74.1 U6.B7(UDQS_T)
N23941705: R75.1 U6.A7(UDQS_C)
N23942923: R120.1 U12.B7(UDQS_T)
N23942931: R121.1 U12.A7(UDQS_C)
N23942965: R119.2 U12.E2(UDM_N/UDBI_N)
N23968505: R45.1 U1.AD23(VREF_44)
N23971155: R46.1 U1.AF19(VREF_45)
N23979979: R58.2 U1.A17(IO_T0U_N12_VRP_68)
N23983374: R66.2 U1.A8(IO_T0U_N12_VRP_66)
N24009245: R47.2 U1.AD24(IO_T0U_N12_VRP_44)
N24009981: R48.2 U1.AP19(IO_T0U_N12_VRP_45)
N24010376: R55.2 U1.AG26(IO_T0U_N12_VRP_46)
N24127214: C1188.2(CAP1) L117.2 R881.1 R889.2 U108.6(SW) U108.7(SW_1) U108.8(SW_2) U108.9(SW_3) U108.10(SW_4) U108.11(SW_5)
N24127352: R581.2 U108.22(RF)
N24127394: C1505.1(CAP2) R580.2 R584.2 U108.1(VFB)
N24127396: R582.2 U108.21(TRIP)
N24127406: R583.1 U108.20(MODE)
N24127447: C1188.1(CAP2) R585.2
N24179955: C1220.2(CAP1) U110.15(SS)
N24186739: R607.2 R608.2 U110.16(FB)
N24443832: R602.2 U111.22(RF)
N24443868: R605.2 U111.21(TRIP)
N24443882: R604.1 U111.20(MODE)
N24534213: C1372.1(CAP2) C1494.2(CAP1) L144.1 R723.1 X1.6(VDD)
N24534304: R723.2 X1.1(OE)
N24538427: C1376.1 C1377.1(CAP2) C1493.2(CAP1) L239.2 U129.5(VDD)
N24539124: C1388.2(CAP1) U129.8(VAC_REF0)
N24539330: R726.2 U129.2(IN_SEL)
N24539481: R727.2 U129.3(IN1_P)
N24539541: R728.2 U129.4(IN1_N)
N24541544: C1380.1(CAP2) U129.14(OUT2_N)
N24541546: C1382.1(CAP2) U129.13(OUT2_P)
N24541572: C1378.1(CAP2) U129.16(OUT3_N)
